# Allegro board RV1106G_COREDLOC_SL_V12_20220907LXF.brd (continued)
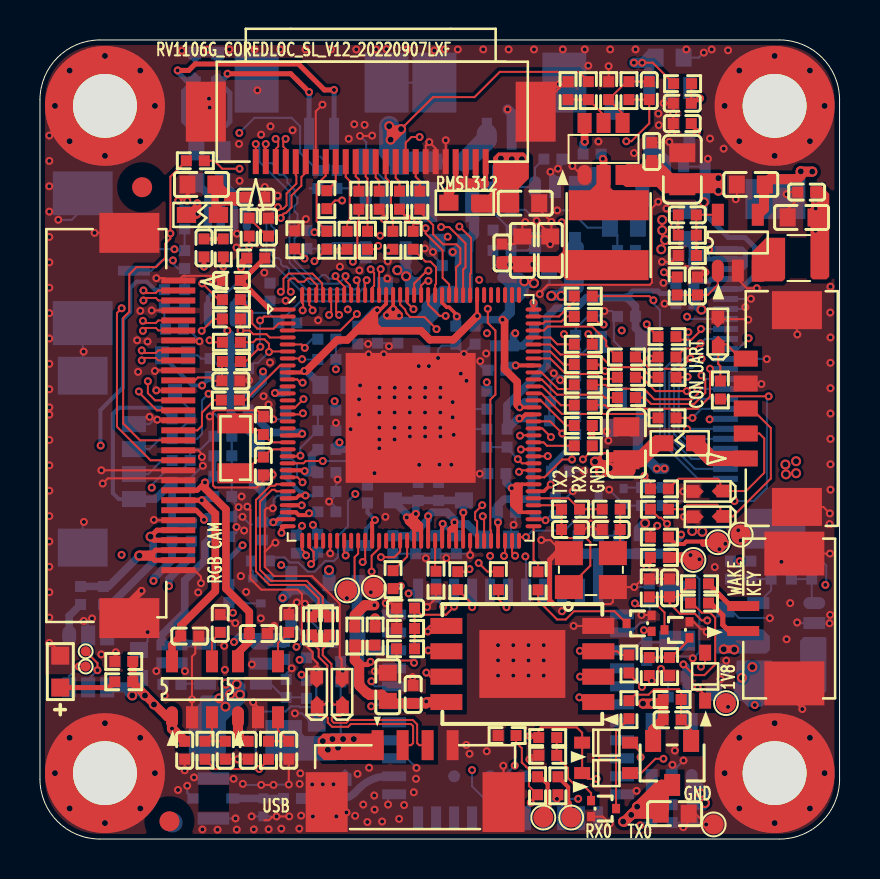
[diagram p0: board, top side]
## Nets (continued)
VCC_1V8: C1021.1 C1022.1 C1102.1 C1103.1 C1201.1 C1300.1 C2001.1 C2002.1 C5003.1 FB1000.1 FB1100.2 J5000.20 R1001.2 R1201.1 R1205.2 R1206.1 R1302.1 R1303.1 R1304.2 R1305.1 R1306.1 R2010.1 U1000.13(VCCIO4_VCC) U1000.53(DDR_PLL_AVDD1V8) U1000.70(OSC_AVDD1V8    PLL_AVDD1V8) U1000.108(VCCIO5_VCC) U2000.5(OUT)
VCC_3V3: C1003.1 C1109.1 C1110.1 C1301.1 C2016.1 C2017.1 C5002.1 J5000.21 R1010.1 R1102.1 R1204.1 R2014.1 U1000.28(USB_AVDD3V3) U1000.61(PMU_VCC3V3) U1000.81(VCCIO1_VCC3V3) U1000.88(VCCIO6_VCC) U2003.5(OUT)
VCC_DDR: C1008.1 C1009.1 C1010.1 C1011.1 C2009.1 C2011.1 C2012.1 L2001.2 R2005.1 U1000.49(DDR_VDDQ_1) U1000.50(DDR_VDDQ_2) U1000.56(DDR_VDDQ_3)
VCC_SYS_S0: C2000.1 C2005.1 C2010.1 C2015.1 C2018.1 C2605.1 C4500.1 C4706.1 C4708.2 C4712.1 C4715.1 C5000.1 C5001.1 FB4500.1 FB7000.1 J5000.22 J5000.23 J5000.24 Q2600.3(DRAIN) R2001.1 R2003.1 R2006.1 R2011.1 R2605.2 R2606.2 U2000.1(IN) U2001.4(VIN) U2002.4(VIN) U2003.1(IN) U2004.4(VIN) U4700.4(VCC) U4701.1(IN) U4702.1(IN) U4703.1(IN)
VCC_SYSIN: C2502.1 C2505.1 C2506.1 C2520.1 D2500.2(K) FB2501.1 FB2510.1 R2508.1 R8215.1 U7001.3(VIN)
VCCIO_FLASH: C1200.1 C1202.1 C1203.1 R1201.2 R1202.1 R1203.1 R1204.2 U1000.43(VCCIO3_VCC) U1201.8(VCC)
VCCIO_WL: C6004.1 C6005.1 C8207.1 Q8200.1(GATE) R6000.2 R8217.1 R8221.1 TP4702.1 U6000.22(VDDIO)
VDD_0V9: C1014.1 C1015.1 C1016.1 C1017.1 C1018.1 C1019.1 C1020.1 C1108.1 C2006.1 C2007.1 C2008.1 L2000.2 R2004.1 U1000.10(DVDD_1) U1000.51(DVDD_2) U1000.54(DVDD_3) U1000.55(DVDD_4) U1000.67(OSC_DVDD0V9    PMU_DVDD0V9) U1000.71(PLL_DVDD0V9) U1000.82(DVDD_5) U1000.103(DVDD_6) U1000.116(DVDD_7)
VDD_ARM: C1005.1 C1006.1 C1007.1 C2019.1 C2020.1 C2021.1 L2002.2 R2012.1 U1000.115(CPU_DVDD)
VDD_PIR: C8200.1 C8201.1 J8200.1 R8201.1 R8216.1 R8218.1
VIN/VBAT: FB2501.2 J2501.1(VCC)
AVS_ARM: R2014.2 R2015.1 U1000.74(VI_CIF_D0_M1    CPU_AVS         PWM0_M0         GPIO1_A2_D)
CAM_FSYNC: J4700.17(FSYNC) R4705.2
CAM_PWREN: R4708.2 R4711.1 R4712.1 U1000.73(I2C2_SDA_M0     PWM4_M0         UART3_RX_M0     GPIO1_A1_D)
CODEC_VCM: C1002.1 U1000.30(CODEC_VCM)
DRAM_ZQ: R1000.2 U1000.52(DRAM_ZQ)
FSPI_CLK: R1200.2 U1201.6(CLK)
FSPI_CS0N: U1000.47(FSPI_CS0        EMMC_CMD        GPIO4_B0_U) U1201.1(C\S\)
FSPI_D0: TP1200.1 U1000.41(FSPI_D0         EMMC_D0         GPIO4_A4_U) U1201.5(DI(D0))
FSPI_D1: U1000.42(FSPI_D1         EMMC_D1         GPIO4_A3_U) U1201.2(DO(D1))
FSPI_D2: R1202.2 U1000.44(FSPI_D2         EMMC_D2         GPIO4_A2_U) U1201.3(W\P\(D2))
FSPI_D3: R1203.2 U1000.39(FSPI_D3         EMMC_D3         GPIO4_A6_U) U1201.7(H\O\L\D\(D3))
HI3861L_GPIO10: R6005.2 U6000.15(IO_10/BAT_STA)
HI3861L_KEY_WAKE: C8203.1 R8207.1 R8211.1 U6000.39(WL_RST/IO_07)
HI3861L_PIR_DLINK_OUT: R8202.2 R8220.1 U6000.40(PIR_OUT/IO_05)
HI3861L_PIR_INT: R6050.1 U1000.65(I2C1_SDA_M0     PWM6_M0         UART1_CTS_M0    GPIO0_A6_D)
HI3861L_PIR_SERIAL_IN: Q8200.2(SOURCE) R8204.2 R8217.2 U6000.6(IO_06/PIR_IN)
HI3861L_PWREN: Q8201.3(COLLECTOR) R8221.2 U6000.12(POW_ON)
HI3861L_UART0_RX: R6010.1 R8222.1 U6000.38(UART0_RX/IO_04)
HI3861L_UART0_TX: R6011.1 U6000.37(UART0_TX/IO_03)
HI3861L_WAKE_DET: Q2620.3(COLLECTOR) U1000.63(PWM1_M0         PWR_CTRL_M0     GPIO0_A4_D)
HI3861L_WAKE_SOCPWR: D2605.1(A) R2621.1 U6000.13(IN_02/SPC_PWCTL)
HW_ID: R1206.2 R1207.1 U1000.22(PWM1_M1         SARADC_IN1      GPIO4_C1_Z)
I2C3_SCL_M2_DLOC: R1306.2 R4502.1 U1000.6(VI_BT656_D5_M0  VI_BT1120_D13   UART5_RTS_M2    I2C3_SCL_M2       VI_CIF_D13      GPIO3_D1_D)
I2C3_SDA_M2_DLOC: R1305.2 R4503.1 U1000.8(VI_BT656_D6_M0  VI_BT1120_D14   UART5_CTS_M2    I2C3_SDA_M2       VI_CIF_D14      GPIO3_D2_D)
I2C4_SCL_M2_RGB: R1303.2 R4700.1 U1000.5(VI_BT656_D3_M0  VI_BT1120_D11   UART5_TX_M2     I2C4_SCL_M2       VI_CIF_D11      GPIO3_C7_D)
I2C4_SDA_M2_RGB: R1302.2 R4701.1 U1000.7(VI_BT656_D4_M0  VI_BT1120_D12   UART5_RX_M2     I2C4_SDA_M2       VI_CIF_D12      GPIO3_D0_D)
IR_CAM_FSYNC: R4505.1 U1000.105(PWM5_M1         VO_LCDC_D16     I2C1_SCL_M1     UART0_RX_M1     GPIO2_B0_D)
IR_CAM_RST: R4507.1 U1000.107(FLASH_TRIGOUT     I2C3_SCL_M0     PWM2_M1         VO_LCDC_D14     I2S0_SDO2_SDI2  UART0_RTS_M1    GPIO2_A6_D)
IR_CAM_STROBE: R4506.1 U1000.15(JTAG_LPMCU_TCK_M1 I2C0_SCL_M2     PWM10_M0        UART5_RTS_M0    SDMMC_CLK       GPIO3_A4_D)
IR_CUT-: C4705.2 J4700.28(IR_CUT0-) J4700.29(IR_CUT1-) R4704.2
IRC_AIN: TP4701.1 U1000.78(SPI1_CS1_M0     VI_CIF_D1_M1    PWM7_IR_M1      UART4_TX_M0     GPIO1_B1_D) U4700.5(IN1)
IRC_BIN: TP4700.1 U1000.76(I2C0_SDA_M0     UART1_RX_M0     GPIO1_A4_D) U4700.6(IN2)
IRCUTA: C4705.1 J4700.26(IR_CUT0+) J4700.27(IR_CUT1+) U4700.3(OUT1)
IRCUTB: R4704.1 U4700.1(OUT2)
LCD_CLK: R5011.1 U1000.85(I2C3_SCL_M1     AUD_DSM_N       UART5_TX_M1     PWM11_IR_M2     VI_CIF_CLKO_M1  VO_LCDC_CLK     GPIO1_D3_D)
LCD_CSN: J5000.11 R5010.2
LCD_D0: R5001.1 U1000.84(VI_BT656_D7_M1                                  UART4_CTS_M1    PWM11_IR_M1     VI_CIF_D9_M1    VO_LCDC_D0      GPIO1_C7_D)
LCD_D1: R5007.1 U1000.83(VI_BT656_D6_M1                                  UART4_RTS_M1    PWM10_M1        VI_CIF_D8_M1    VO_LCDC_D1      GPIO1_C6_D)
LCD_D2: R5006.1 U1000.90(VI_BT656_D5_M1                  SDIO_D2_M1      UART4_TX_M1     PWM9_M1         VI_CIF_D7_M1    VO_LCDC_D2      GPIO1_C5_D)
LCD_D3: R5005.1 U1000.91(VI_BT656_D4_M1                  SDIO_D3_M1      UART4_RX_M1     PWM8_M1         VI_CIF_D6_M1    VO_LCDC_D3      GPIO1_C4_D)
LCD_D4: R5004.1 U1000.92(VI_BT656_D3_M1  I2C4_SDA_M1     SDIO_CMD_M1     SPI0_MISO_M0    PWM6_M2         VI_CIF_D5_M1    VO_LCDC_D4      GPIO1_C3_D)
LCD_D5: R5003.1 U1000.93(VI_BT656_D2_M1  I2C4_SCL_M1     SDIO_CLK_M1     SPI0_MOSI_M0    PWM5_M2         VI_CIF_D4_M1    VO_LCDC_D5      GPIO1_C2_D)
LCD_D6: R5002.1 U1000.94(VI_BT656_D1_M1                  SDIO_D0_M1      SPI0_CLK_M0     PWM4_M2         VI_CIF_D3_M1    VO_LCDC_D6      GPIO1_C1_D)
LCD_D7: R5000.1 U1000.95(VI_BT656_D0_M1                  SDIO_D1_M1      SPI0_CS0_M0     PWM2_M2         VI_CIF_D2_M1    VO_LCDC_D7      GPIO1_C0_D)
LCD_DEN: R5008.1 U1000.89(VI_BT656_CLK_M1                 UART3_TX_M1     UART5_RTS_M1    PWM3_IR_M2      VI_CIF_CLKI_M1  VO_LCDC_DEN     GPIO1_D0_D)
LCD_HSYNC: R5009.1 U1000.87(UART3_RX_M1     UART5_CTS_M1    PWM10_M2        VI_CIF_HREF_M1  VO_LCDC_HSYNC   GPIO1_D1_D)
LCD_PWM_BL: R5012.1 U1000.77(PWM3_IR_M1      UART4_RX_M0     GPIO1_B0_D)
LCD_PWREN_H: R5014.1 U1000.60(PWM3_IR_M0      GPIO0_A2_D)
LCD_RDN: J5000.9 R5008.2
LCD_RS: J5000.12 R5011.2
LCD_RST_L: R5013.1 U1000.72(I2C2_SCL_M0     PWM7_IR_M0      UART3_TX_M0     GPIO1_A0_D)
LCD_VSYNC: R5010.1 U1000.86(SPI0_CS1_M0     I2C3_SDA_M1     AUD_DSM_P       UART5_RX_M1     PWM0_M1         VI_CIF_VSYNC_M1 VO_LCDC_VSYNC   GPIO1_D2_D)
LCD_WRN: J5000.10 R5009.2
LI-VBAT: FB2510.2 J2502.1(VBAT)
LINEOUT: C7002.1 U1000.29(CODEC_LINEOUT)
MCU_WAKE/EN_PWR: D2600.1(A) R2520.1 R2623.1
MCU_WAKE_DET: Q2621.3(COLLECTOR) U1000.64(I2C1_SCL_M0     PWM5_M0         UART1_RTS_M0    GPIO0_A5_D)
MIC0_N: C1001.1 U1000.33(CODEC_MIC0N)
MIC0_P: C1000.1 U1000.34(CODEC_MIC0P)
MICIN_N: C1001.2 C7008.2 J7001.2 R7004.1
MICIN_P: C1000.2 C7008.1 J7001.1 R7003.1
MIPI/LVDS_CLK0N: J4700.3(MCN) U1000.125(VI_BT656_D0_M0  VI_BT1120_D8    LVDS_RX_CLK0N   MIPI_CSI_RX_CLK0N VI_CIF_D8_M0     GPI3_C0_D)
MIPI/LVDS_CLK0P: J4700.2(MCP) U1000.126(VI_BT656_D1_M0  VI_BT1120_D9    LVDS_RX_CLK0P   MIPI_CSI_RX_CLK0P VI_CIF_D9_M0     GPI3_C1_D)
MIPI/LVDS_CLK1N: J4500.5(CLKN) U1000.119(VI_BT1120_D2    LVDS_RX_CLK1N   MIPI_CSI_RX_CLK1N VI_CIF_D2_M0     GPI3_B2_D)
MIPI/LVDS_CLK1P: J4500.6(CLKP) U1000.120(VI_BT1120_D3    LVDS_RX_CLK1P   MIPI_CSI_RX_CLK1P VI_CIF_D3_M0     GPI3_B3_D)
MIPI/LVDS_D0N: J4700.6(MDN0) U1000.127(VI_BT656_CLK_M0 VI_BT1120_CLK   LVDS_RX_D0N     MIPI_CSI_RX_D0N   VI_CIF_CLKI_M0   GPI3_C2_D)
MIPI/LVDS_D0P: J4700.5(MDP0) U1000.128(LVDS_RX_D0P     MIPI_CSI_RX_D0P   VI_CIF_HREF_M0   GPI3_C3_D)
MIPI/LVDS_D1N: J4700.9(MDN1) U1000.123(VI_BT1120_D6    LVDS_RX_D1N     MIPI_CSI_RX_D1N   VI_CIF_D6_M0     GPI3_B6_D)
MIPI/LVDS_D1P: J4700.8(MDP1) U1000.124(VI_BT1120_D7    LVDS_RX_D1P     MIPI_CSI_RX_D1P   VI_CIF_D7_M0     GPI3_B7_D)
MIPI/LVDS_D2N: J4500.1(D0N) U1000.121(VI_BT1120_D4    LVDS_RX_D2N     MIPI_CSI_RX_D2N   VI_CIF_D4_M0     GPI3_B4_D)
MIPI/LVDS_D2P: J4500.2(D0P) U1000.122(VI_BT1120_D5    LVDS_RX_D2P     MIPI_CSI_RX_D2P   VI_CIF_D5_M0     GPI3_B5_D)
MIPI/LVDS_D3N: J4500.3(D1N) U1000.117(VI_BT1120_D0    LVDS_RX_D3N     MIPI_CSI_RX_D3N   VI_CIF_D0_M0     GPI3_B0_D)
MIPI/LVDS_D3P: J4500.4(D1P) U1000.118(VI_BT1120_D1    LVDS_RX_D3P     MIPI_CSI_RX_D3P   VI_CIF_D1_M0     GPI3_B1_D)
MIPI/LVDS_MCLK0: R4706.1 U1000.2(MIPI_CLK0_OUT                     VI_CIF_CLKO_M0  GPIO3_C4_D)
MIPI/LVDS_MCLK1: R4500.1 U1000.4(VI_BT656_D2_M0  VI_BT1120_D10   PWM7_IR_M2      MIPI_CLK1_OUT     VI_CIF_D10      GPIO3_C6_D)
MIPI_CLK0_RGB: C4707.1 J4700.11(MCLK) R4706.2
MIPI_CSI_AVDD_1V8: C1302.1 R1304.1 U1000.1(MIPI_AVDD1V8 VCCIO7_VCC1V8)
MIPI_CSI_PWDN0: R4702.1 U1000.9(VI_BT656_D7_M0  VI_BT1120_D15                   PWM1_M2           VI_CIF_D15      GPIO3_D3_D)
MIPI_CSI_RST0: R4703.1 U1000.3(VI_CIF_VSYNC_M0 GPIO3_C5_D)
MIPIDLOC_PWREN: R4504.1 U1000.75(I2C0_SCL_M0     UART1_TX_M0     GPIO1_A3_D)
NPOR: C1106.1 R1102.2 U1000.66(NPOR)
PIR_DLINK_OUT: J8200.2 R8202.1
PIR_SERIAL_IN: J8200.3 Q8200.3(DRAIN) R8204.1 R8218.2
POW_HOLD: D2603.1(A) U1000.62(PWR_CTRL_M1     GPIO0_A3_U)
PRO_PD_DET: R4501.1 U1000.16(JTAG_LPMCU_TMS_M1 I2C0_SDA_M2     PWM11_IR_M0     UART5_CTS_M0    SDMMC_CMD       GPIO3_A5_U)
RECOVERY: R1205.1 U1000.23(SARADC_IN0      GPIO4_C0_Z)
RGB_CAM_FSYNC: R4705.1 U1000.104(PWM6_M1         VO_LCDC_D17     I2C1_SDA_M1     UART0_TX_M1     GPIO2_B1_D)
RK803_EN1_FLOOD: R4509.1 U1000.106(PRELIGHT_TRIGOUT  I2C3_SDA_M0     PWM4_M1         VO_LCDC_D15     I2S0_SDO1_SDI3  UART0_CTS_M1    GPIO2_A7_D)
RK803_EN2_PRO: R4508.1 U1000.109(I2C4_SDA_M0     UART1_CTS_M1    VO_LCDC_D8      I2S0_SCLK       SDIO_D1_M0      GPIO2_A0_D)
SDIO_CLK: R6007.2 U6000.17(SDIO_DATA_CLK)
SDIO_CMD: U1000.112(VO_LCDC_D11     I2S0_SDO3_SDI1  SDIO_CMD_M0     GPIO2_A3_D) U6000.16(SDIO_DATA_CMD)
SDIO_D0: U1000.110(I2C4_SCL_M0     UART1_RTS_M1    VO_LCDC_D9      I2S0_LRCK       SDIO_D0_M0      GPIO2_A1_D) U6000.18(SDIO_DATA_0)
SPK_CTRL: R7010.2 U1000.113(UART1_TX_M1     VO_LCDC_D12     I2S0_SDO0       SDIO_D3_M0      GPIO2_A4_D) U7000.1(S\H\U\T\D\O\W\N\)
SPKN_OUT: C7005.1 ED7000.1 FB7002.2 J7000.1
SPKP_OUT: C7004.1 ED7001.1 FB7001.2 J7000.2
UART0_RX_M0: R2506.1 U1000.58(RTC_CLK_OUT     CLK_32K_IN      REF_CLK_OUT     UART0_RX_M0     GPIO0_A0_Z)
UART0_TX_M0: R2505.1 U1000.59(PWM2_M0         UART0_TX_M0     GPIO0_A1_D)
UART2_RX: R1109.1 U1000.80(JTAG_HPMCU_TMS_M0 JTAG_LPMCU_TMS_M0 JTAG_CPU_TMS_M1 UART2_RX_M1     GPIO1_B3_U)
UART2_TX: R1108.1 U1000.79(JTAG_HPMCU_TCK_M0 JTAG_LPMCU_TCK_M0 JTAG_CPU_TCK_M1 UART2_TX_M1     GPIO1_B2_D)
UART_RX: ED2511.1 J2501.3(RXD) R2506.2
UART_RX_DEBUG: R1109.2 TP1102.1
UART_TX: ED2512.1 J2501.2(TXD) R2505.2
UART_TX_DEBUG: R1108.2 TP1103.1
USB_DET: R1010.2 U1000.25(USB_VBUSDET)
USB_DM: FB2500.1 R2500.1 U1000.26(USB_DM)
USB_DM_CON: ED2501.1 FB2500.2 J2500.2(DM) R2500.2
USB_DP: FB2500.3 R2503.1 U1000.27(USB_DP)
USB_DP_CON: ED2500.1 FB2500.4 J2500.3(DP) R2503.2
WIFI_REG_ON: R6003.1 U1000.114(UART1_RX_M1     VO_LCDC_D13     I2S0_SDI0       SDIO_D2_M0      GPIO2_A5_D)
WIFI_UART0_RX: R6010.2 TP4703.1
WIFI_UART0_TX: R6011.2 TP4704.1
WIFI_WAKE_HOST: U1000.11(SDMMC_DET       GPIO3_A1_U) U6000.7(IO_08/SDIO_INT)
N17201541: C2009.2 R2005.2 R2008.1 U2002.5(FB/OUT)
N17201563: L2001.1 U2002.3(LX)
N17201579: C2014.1 R2006.2 U2002.1(EN)
N17308561: C7001.2 R7000.1
N17308563: C7000.2 U7000.2(VREF)
N17308575: C7002.2 R7001.1
N17308596: FB7001.1 U7000.5(VOP)
N17308598: FB7002.1 U7000.8(VON)
N17457783: C2006.2 R2004.2 R2007.1 U2001.5(FB/OUT)
N17457803: L2000.1 U2001.3(LX)
N17457825: C2013.1 R2003.2 U2001.1(EN)
N17460103: C2004.1 U2000.4(BP)
N17460119: C2003.1 R2001.2 U2000.3(EN)
N17515692: C1101.2 R1101.2 U1000.68(OSC_SOC_XIN) Y1100.1(X1)
N17515707: R1100.1 R1101.1 U1000.69(OSC_SOC_XOUT)
N17515711: FB1100.1 U1000.96(OTP_AVDD1V8     ETH_AVDD1V8  TSADC_AVDD1V8)
N17518107: R1200.1 U1000.48(FSPI_CLK        EMMC_CLK        GPIO4_B1_D)
N17530509: C2023.1 U2003.4(BP)
N17531664: C2022.1 R2010.2 U2003.3(EN)
N17684812: C1100.1 R1100.2 Y1100.3(X2)
N17748580: C6006.1 U6000.25(32K_CLK2/NC) Y6000.1
N17748786: C6007.1 U6000.24(32K_CLK1/32KIN/NC) Y6000.2
N17757041: J4500.17(RK803_EN1_FLOOD) R4509.2
N17757236: J4500.16(RK803_EN2_PRO) R4508.2
N17757607: J4500.15(RST) R4507.2
N17758717: C2504.2 L2500.1 U7001.2(SW)
N17758729: C2507.2 R2507.2 R2510.1 U7001.4(FB)
N17760994: C7007.1 R7002.2 R7003.2
N17763668: R6007.1 U1000.111(VO_LCDC_D10     I2S0_MCLK       SDIO_CLK_M0     GPIO2_A2_D)
N17764750: FB4500.2 J4500.21(VSYS1) J4500.22(VSYS2) J4500.23(VSYS3) J4500.24(VSYS4)
N17768404: R2508.2 R2509.1 U7001.5(EN)
N17771919: C4719.1 U4703.4(BP)
N17772391: C4710.1 U4701.4(BP)
N17772975: C4717.1 U4702.4(BP)
N17774412: J4700.13(SCL) R4700.2
N17774438: J4700.14(SDA) R4701.2
N17774440: J4700.16(PWDN) R4702.2
N17774454: J4700.19(RESET) R4703.2
N17788428: C1105.1 U1000.21(OSC_RTC_XIN) Y1101.2
N17788438: C1104.1 U1000.20(OSC_RTC_XOUT) Y1101.1
N17788440: C1107.1 R1103.1 U1000.19(RTC_AVDD3V3)
N17790176: R2601.2 R2603.1 U2600.1(EN)
N17790678: R2609.2 R2610.1 U2601.3(CE)
N17793080: J8202.2 R8207.2
N17796273: J5000.1 R5000.2
N17796299: J5000.2 R5002.2
N17796325: J5000.3 R5003.2
N17796351: J5000.4 R5004.2
N17796377: J5000.5 R5005.2
N17796403: J5000.6 R5006.2
N17796429: J5000.7 R5007.2
N17796455: J5000.8 R5001.2
N17796657: J5000.14 R5012.2
N17796683: J5000.15 R5013.2
N17796709: J5000.16 R5014.2
N17807227: LED2600.1(ANODE) R2606.1
N17813337: Q2601.1(BASE) R2612.2 R2613.2
N17815019: J8202.1 R8208.2
N17835338: Q6001.1(BASE) R6005.1
N17835407: Q6001.3(COLLECTOR) R6050.2
N17848938: C2504.1 U7001.6(BOOT)
N17868940: ED2510.1 J2501.5(EN/WAKE) R2520.2
N17870565: D2604.1(A) R2611.1
N17870802: Q2621.1(BASE) R2622.2 R2623.2
N17871244: Q2620.1(BASE) R2620.2 R2621.2
N17871360: D2600.2(K) D2603.2(K) D2604.2(K) D2605.2(K) R2612.1
N17903755: Q8201.1(BASE) R6003.2
N17951423: C2019.2 R2012.2 R2013.1 R2016.2 U2004.5(FB/OUT)
N17951485: C2025.1 R2015.2 R2016.1 R2017.1
N17951542: L2002.1 U2004.3(LX)
N17951556: C2024.1 R2011.2 U2004.1(EN)
N17953415: R7001.2 U7000.4(INP)
N17953417: R7000.2 U7000.3(INN)
N18319359: ANT6000.1(ANT) C6000.2 L6001.1
N18319361: C6000.1 L6000.1 U6000.2(WL_ANT)
N20473470: J4500.9(PRO_PD_DET) R4501.2
N20474650: J4500.8(MCLK) R4500.2
N20474674: J4500.10(SCL) R4502.2
N20474698: J4500.11(SDA) R4503.2
N20474729: J4500.12(PWREN) R4504.2
N20474753: J4500.13(FSYNC) R4505.2
N20474777: J4500.14(STROBE) R4506.2
N20509787: C2604.2 Q2600.1(GATE) R2607.2 R2608.2
N20509839: Q2601.3(COLLECTOR) R2608.1
N20556813: C4709.1 R4708.1 U4701.3(EN)
N22069287: C4720.1 R4712.2 U4702.3(EN)
N22215523: L2600.1 U2600.3(SW)
N22215533: C2600.2 R2602.2 R2604.1 U2600.5(FB)
N22236143: C4718.1 R4711.2 U4703.3(EN)

Pads without a net: J5000 17; M9900 1; M9901 1; M9902 1; M9903 1; U1000 12 14 17 18 35 36 38 40 45 46 97 98 99 100 101 102; U2601 4; U6000 4 5 8 10 11 19 21 23 26 27 28 29 30 32 34 35 41 42 43 44 45 46 47

## Via types
v1: diameter 0.399, hole 0.201, TOP to BOTTOM, 625 vias
v2: diameter 0.5, hole 0.3, TOP to BOTTOM, 97 vias

## Routing (per net, layer and track width the routed paths; a pad name or vN(x,y) marks a point on that pad's centre or on a via; arc(x,y) is an arc through that point)
AVDD1V8_USB: length 3
  TOP w0.203: v1(13.24,18.42) 13.21,18.46 U1000.24
  BOTTOM w0.381: v1(13.24,18.42) 13.32,18.34 C1004.1 13.6,18.64 13.6,19.21 R1001.1
GND: length 394
  TOP w0.102: v1(38.14,6.51) 37.74,6.9 J8202.3 ; J4700.7 7.93,24.96 v1(7.98,24.92) ; v1(19.37,11.61) 19.81,12.06 R1000.1 ; v1(12.85,11.85) 12.76,11.76 12.68,11.76 12.45,11.53 C4710.2 ; v1(12.45,2.73) 12.45,2.73 C4709.2 ; U1000.37 v1(14.52,14.3) ; v1(35.43,26) 35.41,26.02 ED2510.2 ; J4700.15 5.9,20.96 v1(5.87,20.99) ; U1000.57 21.52,14.21 v1(21.52,14.21) ; C2509.2 C2508.2 25.53,30.26 ; C2509.2 24.13,30.73 v1(24.28,30.88) ; C2509.2 23.75,29.79 C2510.2 ; R2008.2 31.62,28.9 v1(31.11,28.9) ; 32.28,28.68 32.4,28.68 32.42,28.66 ; J2501.4 36.07,22.8 v1(36.09,22.78) ; v1(12.47,1.13) 12.47,1.13 v1(11.84,1.13) 11.8,1.09 11.6,1.09 11.45,0.94 11.22,0.94 ; 25.53,30.26 25.59,30.32 v1(25.59,30.89) 24.97,31.5 C4500.2 ; 25.53,30.26 v1(24.84,30.94) ; v1(0.47,9.82) 0.54,9.82 1.02,9.34 LED2600.2 ; v1(33.29,28.37) 33.25,28.34 33.18,28.34 32.98,28.14 C2014.2 ; J4500.19 19.8,34.57 v1(19.48,34.89) 19.3,34.71 J4500.18 ; 11.25,14.37 11.25,13.62 11.71,13.16 13.62,13.16 14.08,12.7 14.09,12.7 14.99,11.79 14.99,9.09 15.09,8.99 15.09,8.51 15.15,8.46 v1(15.15,8.43) 15.15,8.39 15.11,8.36 ED2500.2 ; 11.25,14.37 11.25,16.46 11.35,16.56 v1(11.65,16.56) ; 11.25,14.37 11.71,14.83 v1(11.78,14.83) ; 26.19,14.31 25.53,14.97 v1(25.08,14.97) ; J4500.7 13.79,36.43 v1(14.13,36.76) ; ED2501.2 13.84,8.39 13.82,8.41 v1(13.82,8.49) 13.82,8.56 13.88,8.63 13.88,8.8 13.64,9.05 13.64,9.34 13.1,9.88 13.1,11.62 v1(13.26,11.78) 13.1,11.93 13.1,12.27 12.88,12.48 11.07,12.48 10.53,13.03 10.53,16.48 v1(10.37,16.64) ; v1(39.51,16.3) 39.19,16.63 J2501.7 ; v1(16.76,8.4) 16.84,8.32 C1202.2 ; C4711.2 11.37,10.45 11.59,10.67 v1(11.71,10.67) ; 28.57,38.69 v1(28.45,38.69) R2510.2 ; 12.48,30.39 12.58,30.39 13.23,31.03 v1(13.3,31.03) ; v1(28.51,0.77) 28.16,1.12 Q2601.2 ; C1203.2 18.67,8.08 v1(18.64,8.11) ; C2011.2 37.4,31.52 37.81,31.93 37.91,31.93 38.02,32.03 38.02,32.27 C2012.2 37.46,32.38 v1(37.35,32.28) ; v1(5.75,23.43) 5.78,23.46 J4700.10 ; Q2620.2 32.7,10.87 33.07,10.5 33.22,10.5 v1(33.35,10.37) ; J2500.6 23.19,3.65 v1(23.18,3.67) ; C7006.2 v1(11.25,32.64) ; 25.69,11.76 28.55,11.76 28.66,11.87 Y1100.2 v1(29.73,12.61) 30.14,13.02 R8211.2 C8203.2 ; v1(3.14,17.8) 3.4,18.06 6.82,18.06 J4700.21 ; R2620.1 31.17,8.52 v1(31.06,8.52) ; v1(32.18,0.59) 32.45,0.86 C2605.2 32.78,1.27 v1(33.32,0.73) ; C2506.2 31.45,34.87 v1(31.48,34.9) 32.03,34.35 C2505.2 ; U2002.2 34.91,28.02 35.36,27.57 v1(35.86,27.57) ; v1(6.91,31.95) 7.03,31.95 7.43,32.35 ; v1(19.91,24.08) 19.48,24.08 18.54,23.14 U1000.129 ; v1(11.64,18.24) 11.62,18.22 C1105.2 11.18,17.92 10.85,17.6 8.76,17.6 8.66,17.7 8.66,21.36 8.76,21.46 10.86,21.46 C1104.2 11.53,21.15 v1(11.67,21.01) ; v1(9.77,10.81) 9.68,10.91 9.46,10.91 9.12,11.25 C4717.2 ; ED2511.2 v1(32.22,16.13) ; v1(20.3,34.98) 20.3,34.97 J4500.20 ; v1(21.33,4.71) 21.31,4.7 J2500.4 ; v1(34.81,32.03) 34.86,32.08 C2010.2 ; v1(5.82,28.08) 6.22,28.08 6.34,27.96 J4700.1 7.15,28.19 8.95,28.19 9.07,28.07 ; 7.43,32.35 7.43,32.02 v1(7.37,31.95) ; 7.43,32.35 7.43,32.64 ; U1201.4 v1(26.7,10.67) ; v1(24.48,3.99) 24.48,4.09 24.59,4.19 R2613.1 ; v1(5.59,26.46) 5.59,26.46 J4700.4 ; v1(5.7,15.98) 5.72,15.96 J4700.25 ; v1(31.61,35.37) 31.68,35.44 C2004.2 v1(31.68,36.32) C2003.2 31.21,36.83 v1(31.2,36.84) ; v1(8.06,12.81) 8.06,13.13 7.73,13.46 J4700.30 ; R8214.2 C8206.2 17.59,11.8 v1(17.3,11.8) ; U4702.2 v1(7.6,6.99) 7.6,9.13 7.77,9.3 7.77,9.98 C4716.2 ; v1(37.89,25.26) 37.87,25.28 J2501.6 ; R2509.2 26.3,37.92 J4500.26 24.79,36.62 v1(25.96,37.78) ; C4715.2 v1(7.24,3.44) ; v1(30.93,31.9) 30.61,31.58 30.61,27.85 30.51,27.74 25.4,27.74 25,27.35 v1(25,27.28) ; C4708.1 v1(9.88,3.99) C4720.2 ; Q6001.2 30.58,11.22 v1(30.09,11.22) ; J8202.4 v1(39.52,14.29) ; U4701.2 10.91,6.61 v1(10.66,6.85) ; v1(26.64,33.69) 27.08,33.24 U7001.1 ; v1(11.68,2.71) v1(11.07,2.71) ; R2605.1 3.74,9.3 v1(3.79,9.35) ; C1101.1 27.26,15.49 v1(27.55,15.78) 27.83,15.49 C1100.2 ; v1(16.61,35.21) 16.6,35.2 v1(16.01,35.2) ; J4700.12 v1(5.82,22.46) ; J4700.31 2.73,30.34 v1(2.73,30.34) ; ED2512.2 v1(32.18,17.4) ; v1(8.1,19.13) 8.1,19.28 7.92,19.46 J4700.18 ; J4700.20 v1(3.07,18.46)
  TOP w0.254: Y1100.4 25.83,14.31 25.49,13.98 25.49,11.96 25.69,11.76
  TOP w0.381: v1(5.08,12.42) 4.47,11.82 J4700.32
  L3_POW w0.102: 2.37,24.75 2.37,24.13 ; 2.37,24.75 2.37,28.02 2.44,28.09 2.44,28.11 4.24,29.92 6.93,29.92 7.12,29.74 ; 2.37,24.75 2.18,24.57 v1(2.18,24.4) 2.18,24.32 2.37,24.13 ; 2.37,24.13 2.37,21.59 3.85,20.11 9.74,20.11 10.23,19.62 10.23,18.1 11.58,16.75 11.58,16.56 v1(11.65,16.56) ; v1(11.78,14.83) 12.22,14.83 12.53,15.15 13.84,15.15 14.04,15.35 14.04,16.47 v1(14.46,16.89) 14.46,16.94 13.88,17.53 12.81,17.53 12.6,17.74 12.6,18.34 11.93,19 11.93,19 11.56,19.38 11.56,20.23 9.89,21.9 4.21,21.9 3.75,22.36 3.75,27.26 4.57,28.08 v1(5.82,28.08) 5.94,28.08 6.06,27.97 7.23,27.97 7.46,28.19 8.46,28.19 8.62,28.35 8.62,28.88 7.76,29.74 7.12,29.74 ; v1(11.64,18.24) 11.29,18.24 10.98,18.55 10.98,19.93 9.76,21.15 v1(8.49,21.15) 8.33,20.99 v1(5.87,20.99) 4.26,20.99 3.18,22.07 3.18,27.75 4.28,28.86 6.14,28.86 6.41,28.59 6.49,28.59 6.81,28.59 6.81,28.59 6.85,28.59 7.12,28.85 7.12,29.74 ; H9902.1 v2(1.48,5.07) 1.3,5.07 0.52,5.85 0.52,9.83 0.48,9.83 v1(0.47,9.82) ; 17.45,28.06 17.45,28.06 v1(17.38,28.06)
  BOTTOM w0.102: v1(37.35,32.28) 37.03,32.28 J5000.26 ; v1(25.08,14.97) 25.12,14.93 25.4,14.93 ; v1(14.82,1.13) L6000.2 v1(13.65,1.13) ; 22.66,23.62 22.2,23.62 22.02,23.8 ; 16.95,27.69 17.33,28.06 v1(17.38,28.06) ; 19.29,14.28 19.29,14.06 v1(19.3,14.05) ; 19.29,14.28 C1017.2 C1108.2 ; 19.29,14.28 C1021.2 20.34,14.28 ; C2013.2 26.1,33.75 v1(25.91,33.56) ; v1(5.82,8.41) 6.1,8.69 C4713.2 ; C1015.2 23.56,15.59 v1(23.69,15.73) ; C1011.2 18.95,17.88 18.95,18.71 v1(18.97,18.73) ; v1(19.91,24.08) 19.91,24.51 20.1,24.7 20.8,24.7 v1(21.21,24.28) 21.21,24.31 21.59,24.7 ; ED7000.2 8.37,39.23 ; 8.37,39.23 v1(8.37,39.51) ; 8.37,39.23 ED7001.2 7.33,39.23 v1(7.1,39.46) ; v1(25,27.28) 25.48,27.76 25.48,28.43 C2005.2 ; R2017.2 20.8,19.62 20.7,19.72 v1(20.7,20.23) ; v1(11.65,16.56) 11.58,16.56 11.69,16.67 11.69,17 11.88,17.19 12.5,17.19 ; 37.12,13.91 v1(37.09,13.88) 36.79,14.18 J5000.25 ; 37.12,13.91 R2603.2 ; 37.12,13.91 R2604.2 ; C2020.2 19.87,29.7 ; 19.87,29.7 19.87,29.6 v1(19.66,29.39) 19.66,29.36 19.64,29.34 19.59,29.39 ; 19.87,29.7 19.59,29.42 19.59,29.39 ; J2502.4 26.59,37.87 v1(27.43,38.71) ; J2502.4 26.23,37.74 ; J2502.4 26.23,39.45 v1(26.15,39.53) ; C2602.2 34.22,8.83 v1(34.33,8.93) ; v1(31.34,31.57) 31.47,31.43 C5000.2 ; v1(35.56,27.04) 35.55,27.03 J5000.19 ; v1(13.26,11.78) 13.3,11.78 13.5,11.58 13.5,10.96 14.44,10.02 C6001.2 ; C2023.2 26.8,25.55 27.45,26.2 C2017.2 28.1,26.2 28.23,26.33 v1(28.23,26.43) 28.62,26.43 C2016.2 28.7,25.98 28.7,24.94 29.06,24.58 U2003.2 ; v1(31.25,26.8) C5003.2 ; v1(24.84,30.94) 24.29,31.5 R2007.2 ; 19.73,37.74 J2502.3 ; J2502.3 v1(19.73,39.47) ; J2502.3 J7000.4 17.34,39.53 v1(17.33,39.54) ; v1(9.86,30.3) 9.73,30.43 9.73,31.07 9.75,31.1 9.72,31.13 ; v1(33.32,0.73) 33.23,0.82 C2606.1 R2610.2 ; 15.04,6.86 C6002.2 15.04,8.32 v1(15.15,8.43) 15.04,8.53 C6003.2 ; C1004.2 14.8,18.09 v1(14.89,18) 14.91,17.98 14.91,17.84 14.8,17.73 C1003.2 14.8,17.21 14.49,16.89 ; 12.32,21.01 11.68,21.01 v1(11.67,21.01) ; C2025.2 v1(21.34,22.94) ; C2608.1 C2607.2 31.43,8.17 31.33,8.27 31.31,8.27 v1(31.06,8.52) ; U2601.2 31.6,3.34 v1(32.19,3.93) ; 14.49,16.89 14.51,16.89 14.8,16.6 C1002.2 ; 14.49,16.89 v1(14.46,16.89) ; v1(8.15,18.68) 7.51,18.05 C8201.2 C8200.2 ; v1(12.85,11.85) 12.76,11.76 12.68,11.76 ; C2000.2 32.96,39.12 v1(33.21,39.37) ; v1(31.19,27.84) 31.24,27.84 31.27,27.81 C5002.2 ; U2000.2 31.48,37.11 v1(31.2,36.84) ; v1(5.39,10.36) 5.39,9.9 C4706.2 ; C1019.2 v1(16.42,24.78) 16.85,24.78 C1006.2 17.3,24.82 v1(17.46,24.67) 17.62,24.82 C1007.2 ; v1(14.13,36.76) 14.03,36.66 ; J8200.5 2.14,15.82 v1(2.2,15.87) ; v1(29.84,2.41) 29.67,2.24 U6000.33 ; 19.59,29.39 19.59,29.3 20.12,28.77 C2021.2 ; 9.59,15.11 9.83,15.35 v1(9.83,15.62) ; C7007.2 7.41,25.53 7.98,24.96 v1(7.98,24.92) ; J5000.18 35.2,26.53 v1(35.29,26.63) ; C4714.2 7.11,8.55 v1(7.25,8.41) ; 25.99,23 25.99,23.18 C2022.2 ; 25.99,23 25.88,23.11 25.74,23.11 25.54,22.91 C1018.2 25.49,21.84 C1110.2 ; 25.99,23 v1(26.02,22.97) ; v1(23.69,15.73) 23.78,15.82 C1109.2 ; v1(23.69,15.73) 23.69,15.73 ; v1(22.02,23.93) 22.02,23.8 ; 22.02,23.8 22.02,23.7 22.23,23.5 22.66,23.5 ; C7005.2 8.49,36.61 v1(8.49,36.61) ; v1(8.49,36.61) 8.49,37.03 v1(8.46,37.06) ; v1(8.49,36.61) 8.48,36.61 C7004.2 ; ANT6000.3 9.67,3.03 v1(9.69,3.02) ; v1(28.47,17.49) 29.2,16.76 Q2621.2 29.25,16.69 R2622.1 ; R1207.2 14.8,20.83 v1(14.81,20.83) ; C2001.2 33.22,33.66 C2002.2 33.27,33.92 v1(33.41,34.06) ; C2008.2 28.89,30.23 C2007.2 27.39,30.61 26.53,31.47 v1(25.87,31.47) ; C4702.2 C4701.2 C4700.2 R8220.2 9.59,20.42 8.74,21.28 8.62,21.28 v1(8.49,21.15) ; C4702.2 v1(10.09,17.14) ; C4702.2 9.59,16.96 v1(9.93,16.62) 9.59,16.28 C4703.2 v1(10.13,16.13) 10.51,15.75 10.6,15.75 ; 20.34,14.28 C1022.2 21.45,14.28 v1(21.52,14.21) ; 20.34,14.28 20.34,14.07 v1(20.33,14.06) ; C2601.2 33.72,7.68 v1(34.04,8) ; 32.66,9.03 32.99,9.36 32.99,13.01 32.77,13.22 30.93,13.22 C6007.2 30.32,12.61 v1(29.73,12.61) ; 32.66,9.03 v1(32.66,9.05) ; 32.66,9.03 32.54,9.14 31,9.14 30.8,8.95 C6006.2 ; v1(26.65,17.41) 26.33,17.09 C1106.2 ; C1010.2 19.97,17.88 19.97,18.72 v1(19.99,18.74) ; C1009.2 17.65,19.18 17.27,19.56 v1(16.98,19.56) ; v1(6.24,7.18) 6.15,7.26 C4719.2 ; v1(14.68,2.74) 14.71,2.77 14.71,2.84 14.95,3.09 ED2505.2 ; U2001.2 25.76,33.18 25.76,33.18 v1(25.53,33.4) ; 13.13,31.03 v1(13.3,31.03) ; ANT6000.2 7.37,2.32 v1(7.37,2.67) ; v1(31.11,28.9) 31.18,28.83 C5001.2 ; v1(12.45,2.73) 11.7,2.73 v1(11.68,2.71) ; v1(11.07,2.71) 10.2,2.71 v1(10.15,2.76) ; C8207.2 C6004.2 27.94,15.39 v1(27.55,15.78) 26.95,15.18 C6005.2 ; v1(36.51,11.06) 36.51,11.06 34.96,11.06 34.53,11.49 C2603.2 ; U6000.31 v1(27.82,4.04) ; C1014.2 15.99,22.73 v1(16.01,22.71) ; 12.32,7.94 C4718.2 12.32,8.27 v1(12.59,8.55) 12.24,8.9 C4712.2 ; v1(10.59,1.13) L6001.2 v1(11.84,1.13) ; U6000.3 18.35,4.04 v1(18.83,3.56) ; v1(0.91,31) 1.59,31 2.14,31.54 J7001.4 ; ANT6000.4 v1(9.78,1.03) ; U6000.1 17.51,2.24 17.41,2.14 v1(17.41,1.73) ; v1(5.87,20.99) 5.7,20.99 5.48,20.77 J8200.4 ; 14.03,34.16 14.45,33.74 14.45,33.47 ; C1008.2 21.94,18.35 v1(22,18.29) C1016.2 ; U2600.2 37.91,10.81 v1(37.88,10.84) ; v1(27.21,18.41) C1103.2 ; v1(16.73,18.32) 16.73,18.22 16.38,17.87 C1200.2 ; U6000.20 26.12,11.41 v1(26.12,11.4) ; v1(2.19,10.92) 2.41,10.7 U4700.2 ; v1(16.01,35.2) 16.32,34.89 C2520.2 17.29,32.94 U2004.2 ; v1(36.36,24.03) 36.35,24.03 J5000.13 ; J7001.3 2.14,24.44 v1(2.18,24.4) 2.14,24.35 J8200.6 ; v1(6.91,31.95) 6.91,31.9 7.24,31.57 R7004.2 ; 19.18,24.32 19.18,23.9 v1(18.95,23.67) ; v1(26.92,2.01) 26.46,2.01 26.12,1.67 U6000.36 ; v1(12.75,6.29) 13.1,6.29 13.62,5.78 C2500.2
  BOTTOM w0.508: J2502.2 23.6,36.32 v1(23.4,36.52)
  vias: v1(0.47,35.22) v1(0.47,33.95) v1(0.47,32.68) v1(0.47,31.41) v1(0.47,30.14) v1(0.47,28.87) v1(0.47,27.6) v1(0.47,26.33) v1(0.47,25.06) v1(0.47,23.79) v1(0.47,22.52) v1(0.47,21.61) v1(0.47,21.25) v1(0.47,19.98) v1(0.47,18.71) v1(0.47,17.44) v1(0.47,16.17) v1(0.47,14.9) v1(0.47,13.63) v1(0.47,12.36) v1(0.47,11.09) v1(2.6,11.04) v1(3.07,9.24) v1(4.86,24.97) v1(4.91,23.39) v1(5.02,26.44) v1(5.38,24.9) v1(5.49,21.13) v1(6.91,2.46) v1(7.71,3.08) v1(7.91,12.35) v1(8.13,0.48) v1(8.64,27.99) v1(8.88,0.47) v1(9.22,9.67) v1(9.25,8.47) v1(9.47,39.53) v1(9.83,29.61) v1(9.84,0.47) v1(9.96,34.8) v1(9.98,32.95) v1(10.04,13.16) v1(10.04,13.16) v1(10.21,15.44) v1(10.31,12.37) v1(10.46,22.96) v1(10.6,8.74) v1(10.74,39.53) v1(10.7,0.48) v1(10.88,37.48) v1(11.05,11.05) v1(11.06,35.26) v1(11.22,28.35) v1(11.18,22.17) v1(11.44,21.75) v1(11.44,0.49) v1(11.53,35.67) v1(11.51,23.85) v1(11.89,32.2) v1(12.01,39.53) v1(12.07,0.52) v1(12.29,26.95) v1(12.64,35.48) v1(13.02,3.29) v1(12.99,2.76) v1(12.97,0.52) v1(13.06,1.17) v1(13.28,39.53) v1(13.62,2.73) v1(13.91,25.97) v1(14.15,2.74) v1(14.55,39.53) v1(15,28.65) v1(15.33,1.33) v1(15.44,35.05) v1(15.4,26.51) v1(15.54,20.52) v1(15.72,35.78) v1(15.82,39.53) v1(15.77,1.16) v1(15.89,3.26) v1(15.98,28.46) v1(15.96,22.01) v1(15.96,21.25) v1(16.24,35.75) v1(16.17,1.73) v1(16.44,24.26) v1(16.38,0.85) v1(16.55,12.36) v1(16.47,3.57) v1(16.72,2.18) v1(16.74,1.47) v1(16.81,39.52) v1(17.02,30.2) v1(16.99,22.59) v1(16.98,22.11) v1(16.98,21.35) v1(16.98,20.59) v1(16.98,20) v1(17.12,0.88) v1(17.2,24.26) v1(17.28,16.13) v1(17.4,28.92) v1(17.74,22.11) v1(17.74,21.35) v1(17.74,20.59) v1(17.74,20) v1(17.75,22.59) v1(17.96,1.01) v1(18.22,1.7) v1(18.36,39.53) v1(18.51,22.59) v1(18.5,22.11) v1(18.5,21.35) v1(18.5,20.59) v1(18.51,20.15) v1(18.7,2.34) v1(18.81,3.02) v1(19.25,29.57) v1(19.28,22.59) v1(19.26,22.11) v1(19.26,21.35) v1(19.26,20.59) v1(19.27,20.15) v1(19.46,23.67) v1(20.04,22.59) v1(20.02,22.11) v1(20.02,21.35) v1(20.02,20.59) v1(20.03,20.15) v1(20.25,39.52) v1(20.4,30.15) v1(20.64,21.87) v1(20.64,21.11) v1(20.58,18.74) v1(20.9,39.53) v1(21.05,23.3) v1(21.49,4.27) v1(22.17,39.53) v1(22.32,24.31) v1(22.35,4.4) v1(22.91,9.71) v1(22.91,8.94) v1(22.91,8.18) v1(23.44,39.53) v1(23.68,9.71) v1(23.68,8.94) v1(23.68,8.18) v1(24.44,9.71) v1(24.44,8.94) v1(24.44,8.18) v1(24.71,39.53) v1(25.2,9.71) v1(25.2,8.94) v1(25.2,8.18) v1(25.52,29.78) v1(25.7,23.32) v1(27.25,39.53) v1(27.94,34.92) v1(28.36,20.4) v1(28.43,19.94) v1(28.52,39.53) v1(29.72,34.34) v1(29.79,39.53) v1(30.94,36.31) v1(30.96,35.74) v1(31.64,3.71) v1(31.76,4.43) v1(32.33,39.53) v1(33.52,35.06) v1(33.6,39.53) v1(33.76,13.61) v1(34.2,34.56) v1(34.42,39.48) v1(34.93,15.46) v1(35.05,14.95) v1(37.35,10) v1(37.53,11.81) v1(39.54,27.65) v1(39.53,26.36) v1(39.54,25.11) v1(39.54,23.84) v1(39.54,22.57) v1(39.54,21.3) v1(39.54,20.03) v1(39.54,18.76) v1(39.54,17.49) v1(39.5,15.77) v1(39.53,11.22) v1(39.5,10.8) v2(0.75,36.7) v2(0.75,3.3) v2(1.48,38.47) v2(1.48,34.93) v2(1.48,1.53) v2(3.25,39.2) v2(3.25,34.2) v2(3.25,5.8) v2(3.25,0.8) v2(5.02,38.47) v2(5.02,34.93) v2(5.02,5.07) v2(5.02,1.53) v2(5.75,36.7) v2(5.75,3.3) v2(34.25,36.7) v2(34.25,3.3) v2(34.98,38.47) v2(34.98,34.93) v2(34.98,5.07) v2(34.98,1.53) v2(36.75,39.2) v2(36.75,34.2) v2(36.75,5.8) v2(36.75,0.8) v2(38.52,38.47) v2(38.52,34.93) v2(38.52,5.07) v2(38.52,1.53) v2(39.25,36.7) v2(39.25,3.3)
